# Altium PCB IC_LAB_test.PcbDoc (part 3 of 8)
Units mil, origin at the board's own origin, x right, y up, seen from the top; angles counter-clockwise.
Board outline 9750.75 x 5353.06 mil, 2 copper layers (Top Layer, Bottom Layer); 164 components, 0 nets, 5989 pads, 3214 vias.
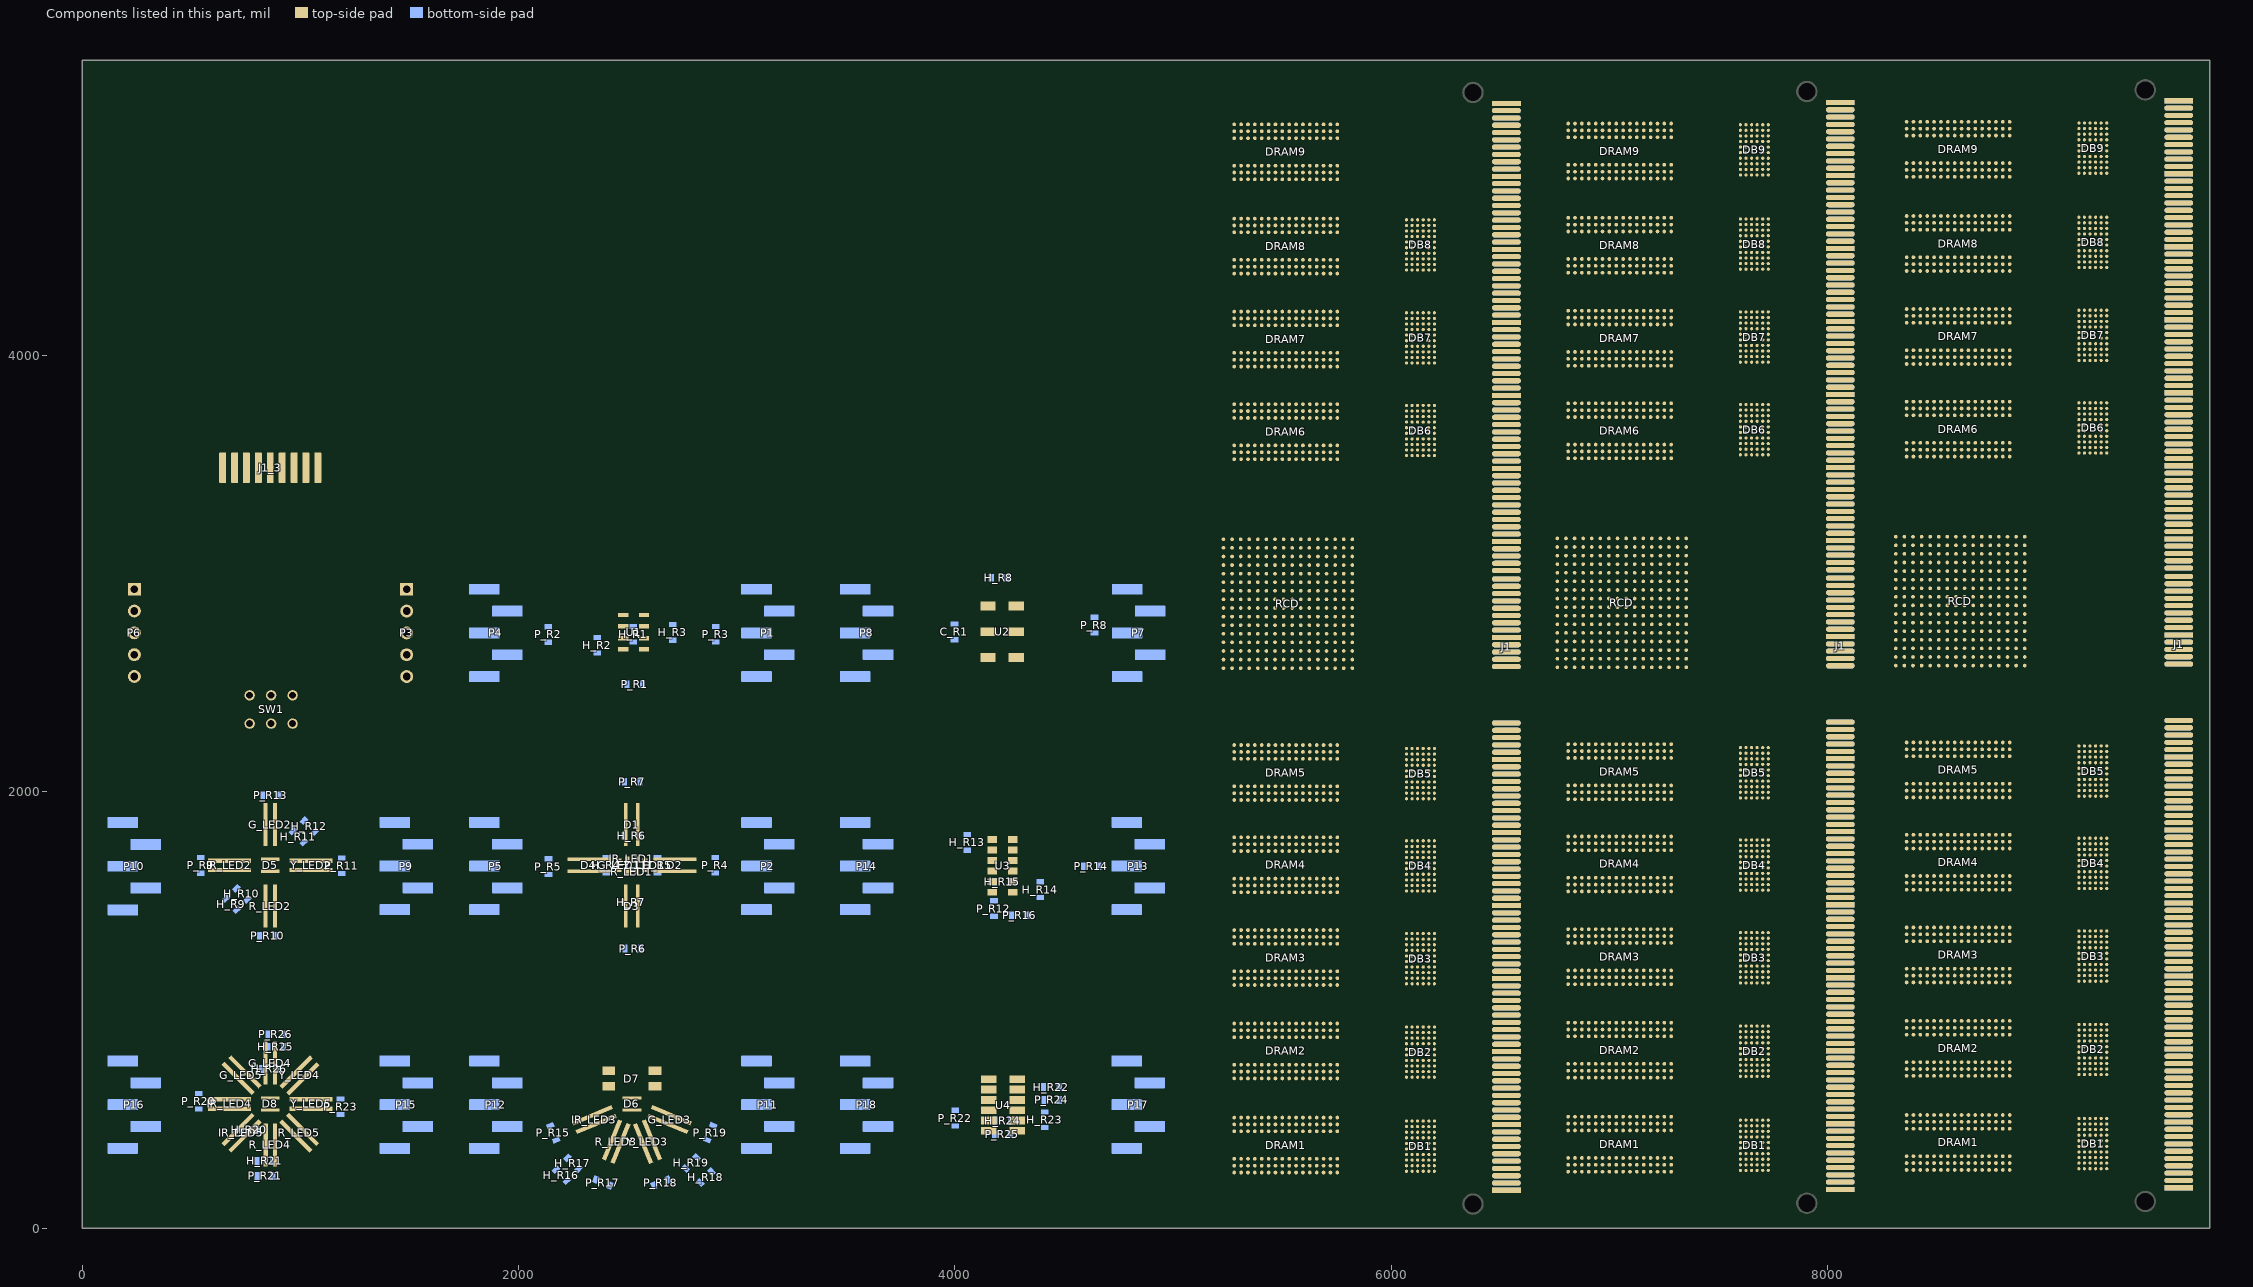
[diagram p3: the components of this part, seen from the top]

## Via types
v1: diameter 17.72, hole 8, Top Layer to Bottom Layer, 2685 vias
v2: diameter 39.37, hole 23.62, Top Layer to Bottom Layer, tented both sides, 414 vias
v3: diameter 23.62, hole 11.81, Top Layer to Bottom Layer, 52 vias
v4: diameter 23.62, hole 11.81, Top Layer to Bottom Layer, tented top, 33 vias
v5: diameter 31.5, hole 15.75, Top Layer to Bottom Layer, 21 vias
v6: diameter 137.8, hole 122.05, Top Layer to Bottom Layer, 3 vias
v7: diameter 78.74, hole 62.99, Top Layer to Bottom Layer, 3 vias
v8: diameter 39.37, hole 19.68, Top Layer to Bottom Layer, 3 vias

## Nets (pads, with @x,y where several pads share a name; then routed paths per layer and width w, separated by ;. In a path a pad name is that pad's centre, name@x,y a point inside that pad or via, vN(x,y) a via of type N, cw(c..) or ccw(c..) an arc to the next point about the centre after c; other vN are vias at no path point) (continued)
copper on no net: (continued)
  Top Layer w3.5: v1(6141.81,1271.95) 6141.81,1265.14 6142.52,1264.43 6144.05,1264.43 6144.05,1271.25 v1@6146.26,1273.46 ; v1(6141.81,3717.05) 6141.81,3710.61 6139.52,3712.91 v1@6146.26,3719.65 ; v1(6142.44,4234.24) 6144.16,4232.51 6144.16,4197.33 6146.26,4195.24 ; v1(6145.44,2066.24) 6150.26,2066.24 6171.85,2044.65 ; 6145.99,4976.15 6146.26,4976.42 ; 6146.26,260.51 6147.44,259.33 v1(6147.44,190.24) ; 6146.26,691.69 6146.26,642.42 v1(6238.44,550.24) ; 6146.26,1119.92 6146.26,1069.42 v1(6228.44,987.24) ; 6146.26,1544.92 6146.26,1497.42 v1(6229.44,1414.24) ; 6146.26,1967.87 6146.26,1927.42 v1@6225.44,1848.24 ; 6146.26,3540.51 6146.26,3485.42 v1@6230.44,3401.24 ; 6146.26,3770.83 6146.26,3815.06 v1(6146.44,3815.24) ; 6146.26,3964.92 6146.26,3928.42 v1(6237.44,3837.24) ; 6146.26,4391.1 6146.26,4346.42 v1(6235.44,4257.24) ; 6146.26,4822.87 6146.26,4779.42 v1(6233.44,4692.24) ; 6146.26,5053.19 6146.26,5084.06 6153.44,5091.24 6153.44,5092.24 v1@6154.44,5093.24 ; v1(6149.31,1644.24) 6171.85,1621.69 ; v1(6149.44,823.91) 6153.71,819.65 6171.85,819.65 ; v1(6149.44,4520.24) 6150.62,4519.06 6171.85,4519.06 ; v1@6149.49,4490.24 6171.85,4467.87 ; v1(6149.69,3665.87) 6152.28,3668.46 6171.85,3668.46 ; v1(6150.44,4063.24) 6171.85,4041.83 6171.85,4041.69 ; v1(6150.44,4921.24) 6171.85,4899.83 6171.85,4899.65 ; v1(6151.44,2098.24) 6153.85,2095.83 6171.85,2095.83 ; v1(6151.44,4096.24) 6154.8,4092.87 6171.85,4092.87 ; v1(6151.44,4955.24) 6155.44,4959.24 6162.44,4959.24 6170.85,4950.83 6171.85,4950.83 ; v1(6152.44,367.52) 6161.77,367.52 6164.49,370.24 6171.85,362.87 ; v1(6152.44,390.24) 6154.21,388.46 6171.85,388.46 ; v1(6157.44,1248.91) 6170.17,1248.91 6170.49,1249.24 6171.85,1247.87 ; v1(6158.44,1674.91) 6160.48,1672.87 6171.85,1672.87 ; v1(6167.4,3621.73) 6167.4,3620.28 6170.39,3617.28 v1@6171.85,3617.28 ; v1(6167.44,766.91) 6167.44,772.87 v1@6171.85,768.46 ; v1(6167.44,1200.91) 6164.76,1200.91 6168.98,1196.69 v1@6171.85,1196.69 ; 6171.85,260.51 6172.01,260.51 6172.01,227.67 v1(6233.44,166.24) ; 6171.85,490.83 6171.85,528.65 v1(6176.44,533.24) ; 6171.85,691.69 6171.85,666.83 v1(6237.44,601.24) ; 6171.85,922.01 6171.85,956.65 v1(6181.44,966.24) ; 6171.85,1119.92 6171.85,1095.83 v1(6227.44,1040.24) ; 6171.85,1350.24 6181.94,1360.33 v1(6181.94,1399.86) ; 6171.85,1544.92 6171.85,1523.83 v1(6227.44,1468.24) ; 6171.85,1775.24 6171.85,1778.37 6177.85,1784.37 6177.85,1808.83 6176.44,1810.24 v1(6176.44,1813.24) ; 6171.85,1967.87 6171.85,1943.83 v1(6222.44,1893.24) ; 6171.85,2198.19 6177.48,2203.82 v1(6177.48,2238.24) ; 6171.85,3540.51 6171.85,3512.83 v1(6229.44,3455.24) ; 6171.85,3770.83 6171.85,3791.65 v1@6193.44,3813.24 ; 6171.85,3964.92 6171.85,3961.79 6177.85,3955.79 6177.85,3942.83 v1(6236.44,3884.24) ; 6171.85,4195.24 6188.44,4211.83 v1(6188.44,4234.24) ; 6171.85,4391.1 6171.85,4368.83 v1(6234.44,4306.24) ; 6171.85,4621.42 6186.44,4636.01 v1@6186.44,4667.24 ; 6171.85,4822.87 6171.85,4799.83 v1(6232.44,4739.24) ; 6171.85,5053.19 6200.44,5081.78 v1(6200.44,5092.24) v1@6200.44,5093.24 ; 6197.44,260.51 6284.65,173.31 6527.44,173.31 ; 6197.44,286.1 6197.44,285.67 6287.44,195.67 v1(6287.44,195.24) ; 6197.44,311.69 6302.36,206.77 6527.44,206.77 ; 6197.44,337.28 6198.92,337.28 6285.96,250.24 v1(6287.44,250.24) ; 6197.44,362.87 6320.08,240.24 6527.44,240.24 ; 6197.44,388.46 6198.33,388.46 6286.56,300.24 v1(6287.44,300.24) ; 6197.44,414.06 6337.8,273.7 6527.44,273.7 ; 6197.44,439.65 6286.85,350.24 v1(6287.44,350.24) ; 6197.44,465.24 6221.44,465.24 v1(6238.44,448.24) ; 6197.44,490.83 v1(6197.44,533.24) ; 6197.44,691.69 6280.79,608.35 6527.44,608.35 ; 6197.44,717.26 v1(6288.44,626.24) ; 6197.44,742.87 6298.5,641.81 6527.44,641.81 ; 6197.44,768.46 6197.44,767.24 v1(6288.44,676.24) ; 6197.44,794.06 6316.22,675.28 6527.44,675.28 ; 6197.44,819.65 6288.44,728.65 v1(6288.44,728.24) ; 6197.44,845.24 6333.94,708.74 6527.44,708.74 ; 6197.44,870.83 6287.03,781.24 v1(6287.44,781.24) ; 6197.44,896.42 6214.62,879.24 v1(6237.44,879.24) ; 6197.44,922.01 6197.44,962.24 v1(6202.44,967.24) ; 6197.44,1119.92 6273.98,1043.39 6527.44,1043.39 ; 6197.44,1145.51 6277.72,1065.24 v1(6279.44,1065.24) ; 6197.44,1171.1 6291.69,1076.85 6527.44,1076.85 ; 6197.44,1196.69 6278.44,1115.69 v1(6278.44,1113.24) ; 6197.44,1222.28 6309.41,1110.32 6527.44,1110.32 ; 6197.44,1247.87 6197.44,1245.24 v1(6276.44,1166.24) ; 6197.44,1273.46 6327.12,1143.78 6527.44,1143.78 ; 6197.44,1299.06 6276.26,1220.24 v1(6276.44,1220.24) ; 6197.44,1324.65 6218.85,1303.24 v1(6239.44,1303.24) ; 6197.44,1350.24 6204.44,1357.24 v1(6204.44,1390.24) ; 6197.44,1544.92 6263.94,1478.43 6527.44,1478.43 ; 6197.44,1570.51 6271.72,1496.24 v1(6273.44,1496.24) ; 6197.44,1596.1 6281.65,1511.89 6527.44,1511.89 ; 6197.44,1621.69 6197.44,1620.24 v1(6275.44,1542.24) ; 6197.44,1647.28 6299.37,1545.36 6527.44,1545.36 ; 6197.44,1672.87 6276.08,1594.24 v1(6276.44,1594.24) ; 6197.44,1698.46 6317.09,1578.82 6527.44,1578.82 ; 6197.44,1724.06 6276.44,1645.06 v1(6276.44,1644.24) ; 6197.44,1749.65 6215.85,1731.24 v1(6239.44,1731.24) ; 6197.44,1775.24 6197.94,1775.74 6197.94,1812.74 v1(6198.44,1813.24) ; 6197.44,1967.87 6251.85,1913.47 6527.44,1913.47 ; 6197.44,1993.46 6260.67,1930.24 v1(6263.44,1930.24) ; 6197.44,2019.06 6269.57,1946.93 6527.44,1946.93 ; 6197.44,2044.65 6264.44,1977.65 v1(6264.44,1977.24) ; 6197.44,2070.24 6287.28,1980.4 6527.44,1980.4 ; 6197.44,2095.83 6263.03,2030.24 v1(6265.44,2030.24) ; 6197.44,2121.42 6305,2013.86 6527.44,2013.86 ; 6197.44,2147.01 6264.21,2080.24 v1(6265.44,2080.24) ; 6197.44,2172.6 6213.8,2156.24 v1(6234.44,2156.24) ; 6197.44,2198.19 6200.87,2201.62 v1(6200.87,2236.74) ; 6197.44,3540.51 6289.41,3448.55 6527.44,3448.55 ; 6197.44,3591.69 6307.12,3482.01 6527.44,3482.01 ; 6197.44,3617.24 v1(6278.44,3536.24) ; 6197.44,3642.87 6324.84,3515.48 6527.44,3515.48 ; 6197.44,3668.46 6277.44,3588.46 v1(6277.44,3588.24) ; 6197.44,3694.06 6342.56,3548.94 6527.44,3548.94 ; 6197.44,3719.65 6281.85,3635.24 v1(6282.44,3635.24) ; 6197.44,3745.24 6210.44,3732.24 v1(6235.44,3732.24) ; 6197.44,3770.83 6197.44,3797.24 v1(6214.44,3814.24) ; 6197.44,3964.92 6278.78,3883.59 6527.44,3883.59 ; 6197.44,3990.51 6274.72,3913.24 v1@6276.44,3913.24 ; 6197.44,4016.1 6296.49,3917.05 6527.44,3917.05 ; 6197.44,4041.69 6277.44,3961.69 v1(6277.44,3961.24) ; 6197.44,4067.28 6314.21,3950.51 6527.44,3950.51 ; 6197.44,4092.87 6277.08,4013.24 v1(6277.44,4013.24) ; 6197.44,4118.46 6331.93,3983.98 6527.44,3983.98 ; 6197.44,4144.06 6277.26,4064.24 v1(6278.44,4064.24) ; 6197.44,4169.65 6220.03,4169.65 v1(6235.44,4154.24) ; 6197.44,4195.24 6210.44,4208.24 v1(6210.44,4234.24) ; 6197.44,4391.1 6269.92,4318.63 6527.44,4318.63 ; 6197.44,4416.69 6273.44,4340.69 v1(6273.44,4340.24) ; 6197.44,4442.28 6287.63,4352.09 6527.44,4352.09 ; 6197.44,4467.87 6274.08,4391.24 v1(6274.44,4391.24) ; 6197.44,4493.46 6305.35,4385.55 6527.44,4385.55 ; 6197.44,4519.06 6273.44,4443.06 v1(6273.44,4442.24) ; 6197.44,4544.65 6323.07,4419.02 6527.44,4419.02 ; 6197.44,4570.24 v1(6274.44,4493.24) ; 6197.44,4595.83 6212.03,4581.24 v1(6235.44,4581.24) ; 6197.44,4621.42 6208.44,4632.42 v1(6208.44,4668.24) ; 6197.44,4822.87 6266.65,4753.67 6527.44,4753.67 ; 6197.44,4848.46 6268.67,4777.24 v1(6269.44,4777.24) ; 6197.44,4874.06 6284.37,4787.13 6527.44,4787.13 ; 6197.44,4899.65 6269.44,4827.65 v1(6269.44,4827.24) ; 6197.44,4925.24 6302.08,4820.59 6527.44,4820.59 ; 6197.44,4950.83 6267.44,4880.83 v1(6267.44,4879.24) ; 6197.44,4976.42 6319.8,4854.06 6527.44,4854.06 ; 6197.44,5002.01 6197.44,5000.24 v1(6267.44,4930.24) ; 6197.44,5027.6 6226.08,5027.6 v1(6237.44,5016.24) ; 6197.44,5053.19 6223.44,5079.19 v1(6223.44,5092.24) ; 6198.57,3566.1 6197.44,3566.1 6279.31,3484.24 v1(6279.44,3484.24) ; v1(6234.44,4234.24) v1@6234.44,4236.24 ; v1(6354.44,4886.24) 6355.08,4886.88 6526.8,4886.88 6527.44,4887.52 ; v1(6357.44,2049.24) 6358.4,2048.28 6526.49,2048.28 6527.44,2047.32 ; v1(6358.44,4018.24) 6358.84,4017.84 6527.04,4017.84 6527.44,4017.44 ; v1(6359.44,4453.24) 6359.82,4452.86 6527.06,4452.86 6527.44,4452.48 ; v1(6368.44,3583.24) 6526.61,3583.24 6527.44,3582.4 ; v1(6372.44,4920.24) 6372.82,4920.61 6527.06,4920.61 6527.44,4920.99 ; v1(6372.44,4954.24) 6372.55,4954.34 6527.33,4954.34 6527.44,4954.45 ; v1(6372.44,1612.24) 6527.42,1612.26 ; v1(6373.44,5021.24) 6373.51,5021.31 6527.37,5021.31 6527.44,5021.38 ; v1(6378.44,4052.24) 6379.1,4051.57 6526.78,4051.57 6527.44,4050.91 ; v1(6378.44,4485.24) 6526.73,4485.24 6527.44,4485.95 ; v1(6379.44,4084.24) 6379.51,4084.3 6527.37,4084.3 6527.44,4084.37 ; v1(6379.44,4519.24) 6379.53,4519.32 6527.35,4519.32 6527.44,4519.41 ; v1(6380.44,1175.24) 6381.45,1176.24 6526.44,1176.24 6527.44,1177.25 ; v1(6380.44,4150.24) 6526.37,4150.24 6527.44,4151.3 ; v1(6380.44,4585.24) 6380.99,4585.79 6526.89,4585.79 6527.44,4586.34 ; v1(6384.44,741.24) 6385.41,742.21 6527.44,742.21 ; v1(6387.44,305.24) 6388.41,306.2 6526.48,306.2 6527.44,307.17 ; v1(6392.44,3616.24) 6392.62,3616.05 6527.26,3616.05 6527.44,3615.87 ; v1(6392.44,3715.24) 6392.95,3715.75 6526.93,3715.75 6527.44,3716.26 ; v1@6393.44,2081.24 6393.66,2081.01 6527.22,2081.01 6527.44,2080.79 ; v1(6393.44,2115.24) 6393.93,2114.75 6526.95,2114.75 6527.44,2114.25 ; v1(6393.44,3651.24) 6394.39,3650.28 6526.49,3650.28 6527.44,3649.33 ; v1(6395.44,2181.24) 6527.41,2181.21 ; v1(6397.44,1746.24) 6397.49,1746.19 6527.39,1746.19 6527.44,1746.14 ; v1(6398.44,1646.24) 6398.68,1645.99 6527.2,1645.99 6527.44,1645.75 6525.93,1644.24 6519.44,1644.24 ; v1(6398.44,1677.24) 6399.43,1678.23 6526.45,1678.23 6527.44,1679.21 ; v1(6402.44,1245.24) 6526.38,1245.24 6527.44,1244.17 ; v1(6402.44,1311.24) 6402.57,1311.1 6527.44,1311.1 ; v1(6403.44,1210.24) 6403.68,1210.47 6527.2,1210.47 6527.44,1210.71 ; v1(6404.44,5055.24) 6404.64,5055.04 6527.25,5055.04 6527.44,5054.85 ; v1(6407.44,4617.24) 6408.73,4618.52 6526.16,4618.52 6527.44,4619.81 ; v1(6408.44,774.24) 6409.16,774.95 6526.72,774.95 6527.44,775.67 ; v1(6409.44,806.24) 6524.54,806.24 6527.44,809.13 ; v1(6409.44,876.24) 6409.61,876.06 6527.44,876.06 ; v1(6411.44,440.24) 6412.23,441.02 6527.44,441.02 6527.05,440.63 ; v1(6412.44,340.24) 6412.64,340.43 6527.24,340.43 6527.44,340.63 ; v1(6412.44,377.91) 6523.62,377.91 6527.44,374.09 ; v1(6412.44,471.91) 6412.44,473.74 6413.19,474.49 6527.44,474.49 6527.19,474.24 ; v1(6414.44,2215.24) 6414.74,2214.94 6527.15,2214.94 6527.44,2214.65 ; v1(6415.44,4185.24) 6415.68,4185 6527.21,4185 6527.44,4184.77 ; v1(6417.44,3750.24) 6417.7,3749.98 6527.19,3749.98 6527.44,3749.73 ; v1(6421.44,1779.24) 6421.63,1779.42 6527.26,1779.42 6527.44,1779.61 ; v1(6426.44,1345.24) 6426.78,1344.9 6527.11,1344.9 6527.44,1344.57 ; v1(6427.44,908.24) 6428.09,908.88 6526.79,908.88 6527.44,909.53 ; v1(6724.87,3148.17) 6724.87,3147.17 6749.87,3122.17 6760.54,3122.17 6761.06,3121.65 ; v1(6725.87,3191.17) 6728.31,3191.17 6758.46,3161.02 6761.06,3161.02 ; v1(6762.87,3197.17) 6764.28,3197.17 6800.43,3161.02 ; v1(6762.87,3717.17) 6762.98,3717.28 6810.43,3717.28 ; v1(6763.87,4142.17) 6764.35,4141.69 6810.43,4141.69 ; v1(6763.87,4568.17) 6764.17,4567.87 6810.43,4567.87 ; v1(6764.87,5001.17) 6808.91,5001.17 6810.43,4999.65 ; v1(6766.87,448.17) 6767.37,447.68 6810.43,447.68 ; v1(6766.87,878.17) 6767.22,878.52 6810.09,878.52 6810.43,878.86 ; v1(6766.87,1306.17) 6767.33,1306.63 6809.98,1306.63 6810.43,1307.09 ; v1(6766.87,1732.17) 6766.92,1732.13 6810.39,1732.13 6810.43,1732.09 ; v1(6780.87,3142.17) 6780.87,3141.69 6800.43,3122.13 6800.43,3121.65 ; v1(6782.87,3749.17) 6783.27,3748.78 6810.43,3748.78 ; v1(6782.87,4174.17) 6783.86,4173.19 6810.43,4173.19 ; v1(6782.87,4599.17) 6783.07,4599.37 6810.43,4599.37 ; v1@6782.91,5031.14 6810.43,5031.14 ; v1(6784.87,478.17) 6785.37,478.67 6809.93,478.67 6810.43,479.17 ; v1(6784.87,910.17) 6784.96,910.26 6810.34,910.26 6810.43,910.35 ; v1(6784.87,1338.17) 6785.08,1338.38 6810.23,1338.38 6810.43,1338.58 ; v1(6784.87,1763.17) 6785.08,1763.38 6810.23,1763.38 6810.43,1763.58 ; v1(6804.87,3199.17) 6804.87,3197.56 6839.8,3162.63 6839.8,3161.02 ; v1(6808.87,557.17) 6825.79,540.26 6825.79,496.26 6841.93,480.12 6841.93,479.17 ; v1@6808.87,988.17 6825.79,971.26 6825.79,924.26 6839.69,910.35 6841.93,910.35 ; v1@6809.87,1419.17 6825.87,1403.17 6825.87,1354.64 6841.93,1338.58 ; v1(6809.87,4251.17) 6809.87,4248.17 6826.71,4231.33 6826.71,4188.33 6841.86,4173.19 6841.93,4173.19 ; v1(6809.87,5110.17) 6809.87,5104.17 6826.71,5087.33 6826.71,5048.33 6841.93,5033.12 6841.93,5031.14 ; 6810.43,290.2 6749.87,350.76 6749.87,664.17 6807.08,721.38 6810.43,721.38 6749.87,781.94 6749.87,1089.05 6810.43,1149.61 6808.44,1149.61 6751.27,1206.78 6751.27,1515.44 6810.43,1574.61 6750.87,1634.17 6750.87,1938 6810.43,1997.56 ; 6810.43,2155.04 6810.37,2155.11 6766.94,2155.11 v1(6766.87,2155.17) 6766.87,2273.17 7041.87,2548.17 7093.09,2548.17 7115.39,2570.47 ; 6810.43,2186.54 6810.25,2186.35 6785.06,2186.35 v1(6784.87,2186.17) 6784.87,2275.17 7051.87,2542.17 7116.87,2542.17 7135.87,2561.17 7135.87,2587.17 7115.39,2607.65 7115.39,2609.84 ; 6810.43,4842.17 6744.87,4776.61 6744.87,4475.95 6810.43,4410.39 6748.27,4348.23 6748.27,4098.21 6748.87,4097.6 6748.87,4047.17 6810.43,3985.61 6810.43,3984.21 6748.87,3922.65 6748.87,3621.36 6810.43,3559.8 6809.5,3559.8 6785.87,3536.17 6785.87,3475.17 7058.87,3202.17 7058.87,3148.17 7067.87,3139.17 7096.87,3139.17 7114.39,3121.65 7115.39,3121.65 ; v1(6810.87,1846.17) 6810.87,1827.17 6825.87,1812.17 6825.87,1777.17 6839.46,1763.58 6841.93,1763.58 ; v1@6810.87,3827.17 6810.87,3825.17 6826.71,3809.33 6826.71,3764.33 6841.93,3749.12 6841.93,3748.78 ; v1@6811.87,4677.17 6825.65,4663.4 6825.65,4616.4 6841.93,4600.12 6841.93,4599.37 ; v1(6818.87,3142.17) 6819.08,3142.17 6839.6,3121.65 6839.8,3121.65 ; v1(6825.87,214.17) 6825.87,275.17 6840.9,290.2 6841.93,290.2 ; v1(6825.87,1498.17) 6825.87,1557.17 6841.93,1573.23 6841.93,1574.61 ; v1(6825.87,1703.17) 6825.87,1716.03 6841.93,1732.09 ; v1(6825.87,3690.17) 6826.87,3691.17 6826.87,3703.17 6840.98,3717.28 6841.93,3717.28 ; v1(6825.87,4329.17) 6825.87,4394.17 6841.93,4410.23 6841.93,4410.39 ; v1(6825.87,4760.17) 6825.87,4826.17 6841.87,4842.17 6841.93,4842.17 ; v1(6826.87,415.17) 6841.93,430.23 6841.93,447.68 ; v1(6826.87,642.17) 6826.87,683.42 6826.71,683.58 6826.71,696.18 6826.87,696.34 6826.87,708.17 6840.08,721.38 6841.93,721.38 ; v1(6826.87,849.17) 6826.87,863.8 6841.93,878.86 ; v1(6826.87,1067.17) 6826.87,1111.65 6826.71,1111.81 6826.71,1124.41 6826.87,1124.57 6826.87,1134.55 6841.93,1149.61 ; v1(6826.87,1273.17) 6826.87,1295.17 6838.79,1307.09 6841.93,1307.09 ; v1@6826.87,1920.17 6826.87,1959.6 6826.71,1959.76 6826.71,1972.36 6826.87,1972.52 6826.87,1982.17 6841.93,1997.23 6841.93,1997.56 6841.93,1998.12 ; v1(6826.87,2130.17) 6827.87,2131.17 6827.87,2143.17 6839.74,2155.04 6841.93,2155.04 ; v1@6826.87,3903.17 v1(6826.87,3906.17) 6826.87,3946.25 6826.71,3946.41 6826.71,3959.02 6826.87,3959.18 6826.87,3968.17 6841.93,3983.23 6841.93,3984.21 ; v1(6826.87,4115.17) 6826.87,4127.17 6841.39,4141.69 6841.93,4141.69 ; v1(6826.87,4538.17) 6826.87,4554.17 6840.57,4567.87 6841.93,4567.87 ; v1(6826.87,4975.17) 6830.87,4975.17 6840.87,4985.17 6840.87,4998.59 6841.93,4999.65 ; 6839.8,2570.47 6839.8,2519.1 6712.87,2392.17 6712.87,2122.75 6764.45,2071.17 6850.87,2071.17 6856.87,2065.17 6856.87,2014.11 6873.43,1997.56 6889.87,1981.11 6889.87,1972.53 6889.71,1972.36 6889.71,1959.76 6889.87,1959.59 v1@6889.87,1922.17 ; 6839.8,2609.84 6858.87,2590.77 6858.87,2524.17 6718.87,2384.17 6718.87,2125.23 6766.93,2077.17 6854.87,2077.17 6873.43,2058.62 v1@6873.43,2057.17 ; v1@6839.87,988.17 6839.87,986.17 6857.87,968.17 6857.87,923.17 6870.69,910.35 6873.43,910.35 ; v1(6839.87,1846.17) 6839.87,1841.17 6858.21,1822.84 6858.21,1778.84 6873.43,1763.62 ; v1(6839.87,4251.17) 6857.87,4233.17 6857.87,4190.17 6873.43,4174.62 6873.43,4173.19 ; v1@6840.87,3828.17 6840.87,3826.17 6857.87,3809.17 6857.87,3764.17 6873.27,3748.78 6873.43,3748.78 ; 6841.9,321.72 v1@6841.9,351.15 ; v1(6841.87,557.17) 6857.87,541.17 6857.87,496.17 6873.43,480.62 6873.43,479.17 ; 6841.9,752.9 v1@6841.9,783.15 ; 6841.9,1181.13 v1@6841.9,1214.15 ; v1(6841.87,1420.17) 6857.14,1404.9 6857.14,1351.9 6870.46,1338.58 6873.43,1338.58 ; v1(6841.87,1634.17) 6841.87,1606.16 6841.93,1606.1 ; v1(6841.87,3619.17) 6841.93,3619.12 6841.93,3591.3 ; v1(6841.87,4473.17) 6841.93,4473.12 6841.93,4441.89 ; v1(6841.87,4678.17) 6857.87,4662.17 6857.87,4616.17 6873.43,4600.62 6873.43,4599.37 ; v1@6841.87,4906.17 6841.93,4906.12 6841.93,4873.66 ; v1@6841.87,5109.17 6841.87,5106.17 6857.87,5090.17 6857.87,5048.17 6873.43,5032.62 6873.43,5031.14 ; 6841.93,2186.54 6841.51,2186.54 6826.71,2201.33 6826.71,2249.33 v1(6808.87,2267.17) 6953.61,2411.91 7024.61,2411.91 7175.87,2563.17 7175.87,2585.17 7154.76,2606.28 7154.76,2609.84 ; 6841.93,3559.8 6840.5,3559.8 6827.87,3547.17 6827.87,3535.77 6826.71,3534.61 6826.71,3522.01 6827.87,3520.85 v1(6827.87,3481.17) 6827.87,3480.17 7093.5,3214.54 7093.5,3156.54 7106.5,3143.54 7132.87,3143.54 7154.76,3121.65 ; 6841.93,4015.71 6841.93,4044.23 v1(6842.87,4045.17) ; v1@6856.87,1274.17 6857.87,1275.17 6857.87,1292.17 6872.79,1307.09 6873.43,1307.09 ; v1@6856.87,1921.17 6856.87,1950.17 6872.76,1966.06 6873.43,1966.06 ; v1@6856.87,2131.17 6856.87,2139.17 6872.74,2155.04 6873.43,2155.04 ; v1@6856.87,4330.17 6856.87,4362.17 6873.43,4378.72 6873.43,4378.9 ; v1@6856.87,4761.17 6856.87,4792.17 6873.43,4808.72 6873.43,4810.67 ; v1(6857.87,214.17) 6857.87,240.17 6873.43,255.72 6873.43,258.7 ; v1(6857.87,415.17) 6857.87,417.17 6872.87,432.17 6872.87,447.13 6873.43,447.68 ; v1(6857.87,642.17) 6856.87,643.17 6856.87,671.17 6873.43,687.72 6873.43,689.88 ; v1@6857.87,850.17 6857.87,862.17 6873.43,877.72 6873.43,878.86 ; v1(6857.87,1067.17) 6857.87,1102.56 6873.43,1118.11 ; v1@6857.87,1499.17 6857.87,1528.17 6872.81,1543.11 6873.43,1543.11 ; v1@6857.87,1704.17 6858.87,1705.17 6858.87,1718.17 6872.79,1732.09 6873.43,1732.09 ; v1@6857.87,3903.17 v1(6857.87,3906.17) 6857.87,3935.17 6873.43,3950.72 6873.43,3952.72 ; v1@6857.87,4116.17 6857.87,4127.17 6872.39,4141.69 6873.43,4141.69 ; v1@6858.87,3482.17 6858.87,3510.17 6873.43,3524.72 6873.43,3528.31 ; v1@6858.87,3691.17 6858.87,3703.17 6872.98,3717.28 6873.43,3717.28 ; v1@6858.87,4539.17 6858.87,4554.17 6872.57,4567.87 6873.43,4567.87 ; v1(6858.87,4975.17) 6860.87,4977.17 6860.87,4985.17 6873.43,4997.72 6873.43,4999.65 ; v1(6860.87,3141.69) 6860.87,3140.82 6879.17,3122.52 6879.17,3121.65 ; v1(6871.87,1420.17) 6873.43,1418.62 6873.43,1370.08 ; v1(6871.87,1846.17) 6873.43,1844.62 6873.43,1795.08 ; v1@6872.87,988.17 6873.43,987.62 6873.43,941.85 ; v1(6872.87,1634.17) 6873.43,1633.62 6873.43,1606.1 ; v1@6872.87,3828.17 6873.43,3827.62 6873.43,3780.28 ; v1(6872.87,4045.17) 6873.43,4044.62 6873.43,4015.71 ; v1(6872.87,4251.17) 6873.43,4250.62 6873.43,4204.69 ; v1@6872.87,4677.17 6873.43,4676.62 6873.43,4630.87 ; v1(6872.87,4904.17) 6873.43,4903.62 6873.43,4873.66 ; v1@6872.87,5109.17 6873.15,5108.9 6873.15,5062.91 6873.43,5062.64 ; 6873.43,290.2 6873.43,287.62 6889.87,271.17 6889.87,265.17 6889.71,265 6889.71,252.4 6889.87,252.23 v1(6889.87,214.17) ; 6873.43,321.69 6873.65,321.92 6873.65,350.95 v1(6873.87,351.17) ; 6873.43,510.67 6873.65,510.89 6873.65,556.95 v1(6873.87,557.17) ; 6873.43,721.38 6873.43,718.62 6889.87,702.17 6889.87,696.35 6889.71,696.18 6889.71,683.58 6889.87,683.41 v1(6889.87,642.17) ; 6873.43,752.87 6873.65,753.1 6873.65,782.95 v1(6873.87,783.17) ; 6873.44,1149.61 6889.87,1133.17 6889.87,1124.58 6889.71,1124.41 6889.71,1111.81 6889.87,1111.64 v1(6889.87,1067.17) ; 6873.43,1181.1 6873.65,1181.33 6873.65,1213.95 v1(6873.87,1214.17) ; 6873.43,1574.61 6888.87,1559.16 v1@6888.87,1499.17 ; 6873.43,2029.06 6873.43,2055.72 v1(6874.87,2057.17) ; 6873.43,2186.54 6873.43,2187.62 6857.87,2203.17 6857.87,2250.17 6841.87,2266.17 v1(6841.87,2267.17) 6977.87,2403.17 7061.87,2403.17 7209.87,2551.17 7209.87,2594.1 7194.13,2609.84 ; 6873.43,2218.03 6873.43,2265.72 v1@6873.87,2266.17 ; 6873.43,3559.8 6873.43,3558.62 6889.87,3542.17 6889.87,3534.78 6889.71,3534.61 6889.71,3522.01 6889.87,3521.84 v1(6889.87,3481.17) 6889.87,3436.17 7107.87,3218.17 7107.87,3183.17 